# KiCad board ayla80.kicad_pcb (continued)
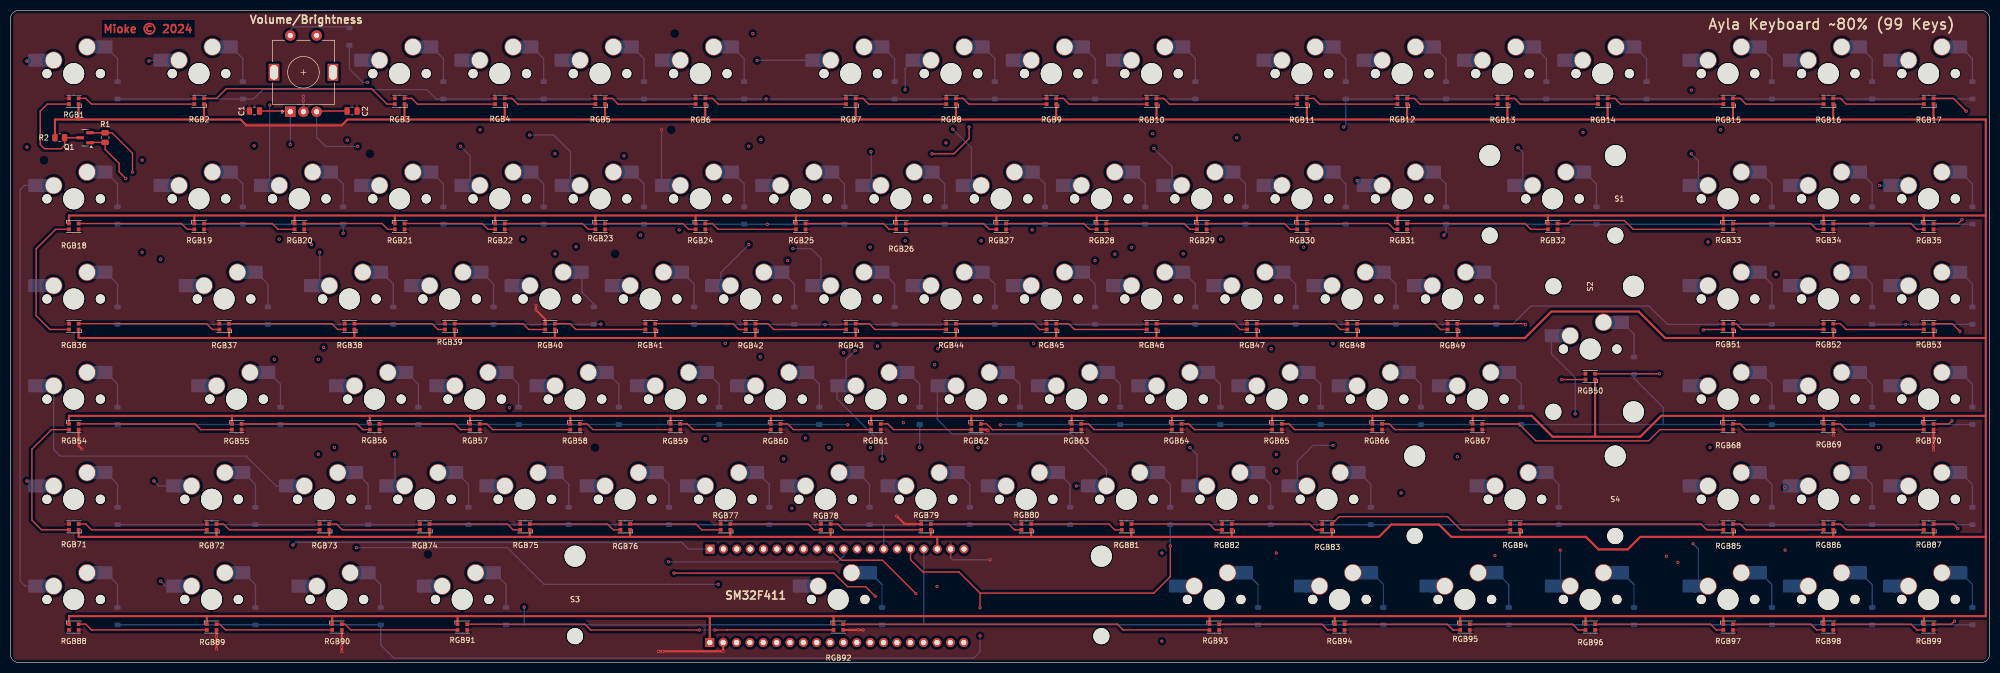
[diagram p0: board, top side]
## Footprints (pads in the part's own frame, mm; a bottom-side part is the same pattern mirrored in y, then rotated)
C_0805_2012Metric
  rrect 1x1.45 smd: 1(-0.95,0) 2(0.95,0)
Diode_SOD-123
  rrect 0.9x1.2 smd: 1(-1.65,0) 2(1.65,0)
LED_WS2812B-2020_PLCC4_2.0x2.0mm
  rect 0.7x0.7 smd: 1(-0.915,0.55) 2(-0.915,-0.55) 3(0.915,-0.55) 4(0.915,0.55)
PinHeader_1x20_P2.54mm_Vertical
  rect 1.7x1.7 hole 1: 1(0,0)
  oval 1.7x1.7 hole 1: 2(0,-2.54) 3(0,-5.08) 4(0,-7.62) 5(0,-10.16) 6(0,-12.7) 7(0,-15.24) 8(0,-17.78) 9(0,-20.32) 10(0,-22.86) 11(0,-25.4) 12(0,-27.94) 13(0,-30.48) 14(0,-33.02) 15(0,-35.56) 16(0,-38.1) 17(0,-40.64) 18(0,-43.18) 19(0,-45.72) 20(0,-48.26)
R_0805_2012Metric
  rrect 1.025x1.4 smd: 1(-0.912,0) 2(0.912,0)
RotaryEncoder_Alps_EC11E-Switch_Vertical_H20mm
  rect 3.2x2 hole 2.8x1.5 unplated: (7.5,3.1) (7.5,-8.1)
  rect 2x2 hole 1: A(0,0)
  round 2 hole 1: B(0,-5) C(0,-2.5) S1(14.5,-5) S2(14.5,0)
SOT-23
  rrect 1.475x0.6 smd: 1(-0.938,0.95) 2(-0.938,-0.95) 3(0.938,0)
Stabilizer_MX_2.00u
  round 3.048 hole 3.048 unplated: (-11.938,6.985) (11.938,6.985)
  round 3.988 hole 3.988 unplated: (-11.938,-8.225) (11.938,-8.225)
Stabilizer_MX_3.00u
  round 3.048 hole 3.048 unplated: (-19.05,6.985) (19.05,6.985)
  round 3.988 hole 3.988 unplated: (-19.05,-8.225) (19.05,-8.225)
Stabilizer_MX_6.25u
  round 3.048 hole 3.048 unplated: (-50,6.985) (50,6.985)
  round 3.988 hole 3.988 unplated: (-50,-8.225) (50,-8.225)
SW_MX_HS_CPG151101S11_1u
  round 1.75 hole 1.75 unplated: (-5.08,0) (5.08,0)
  round 3.988 hole 3.988 unplated: (0,0)
  round 3.3 hole 3: 1(3.81,2.54) 2(-2.54,5.08)
  rect 1.65x2.5 smd: 1(5.635,2.54) 2(-4.34,5.08)
  rrect 2.55x2.5 smd: 1(7.36,2.54) 2(-6.09,5.08)

## Nets
+3.3V: J1.20 Q1.1 R1.1
GND: C1.2 C2.2 J1.19 J2.2 RGB1.3 RGB2.3 RGB3.3 RGB4.3 RGB5.3 RGB6.3 RGB7.3 RGB8.3 RGB9.3 RGB10.3 RGB11.3 RGB12.3 RGB13.3 RGB14.3 RGB15.3 RGB16.3 RGB17.3 RGB18.3 RGB19.3 RGB20.3 RGB21.3 RGB22.3 RGB23.3 RGB24.3 RGB25.3 RGB26.3 RGB27.3 RGB28.3 RGB29.3 RGB30.3 RGB31.3 RGB32.3 RGB33.3 RGB34.3 RGB35.3 RGB36.3 RGB37.3 RGB38.3 RGB39.3 RGB40.3 RGB41.3 RGB42.3 RGB43.3 RGB44.3 RGB45.3 RGB46.3 RGB47.3 RGB48.3 RGB49.3 RGB50.3 RGB51.3 RGB52.3 RGB53.3 RGB54.3 RGB55.3 RGB56.3 RGB57.3 RGB58.3 RGB59.3 RGB60.3 RGB61.3 RGB62.3 RGB63.3 RGB64.3 RGB65.3 RGB66.3 RGB67.3 RGB68.3 RGB69.3 RGB70.3 RGB71.3 RGB72.3 RGB73.3 RGB74.3 RGB75.3 RGB76.3 RGB77.3 RGB78.3 RGB79.3 RGB80.3 RGB81.3 RGB82.3 RGB83.3 RGB84.3 RGB85.3 RGB86.3 RGB87.3 RGB88.3 RGB89.3 RGB90.3 RGB91.3 RGB92.3 RGB93.3 RGB94.3 RGB95.3 RGB96.3 RGB97.3 RGB98.3 RGB99.3 SW1.C
VBUS: J1.18 J2.1 R2.1 RGB1.1 RGB2.1 RGB3.1 RGB4.1 RGB5.1 RGB6.1 RGB7.1 RGB8.1 RGB9.1 RGB10.1 RGB11.1 RGB12.1 RGB13.1 RGB14.1 RGB15.1 RGB16.1 RGB17.1 RGB18.1 RGB19.1 RGB20.1 RGB21.1 RGB22.1 RGB23.1 RGB24.1 RGB25.1 RGB26.1 RGB27.1 RGB28.1 RGB29.1 RGB30.1 RGB31.1 RGB32.1 RGB33.1 RGB34.1 RGB35.1 RGB36.1 RGB37.1 RGB38.1 RGB39.1 RGB40.1 RGB41.1 RGB42.1 RGB43.1 RGB44.1 RGB45.1 RGB46.1 RGB47.1 RGB48.1 RGB49.1 RGB50.1 RGB51.1 RGB52.1 RGB53.1 RGB54.1 RGB55.1 RGB56.1 RGB57.1 RGB58.1 RGB59.1 RGB60.1 RGB61.1 RGB62.1 RGB63.1 RGB64.1 RGB65.1 RGB66.1 RGB67.1 RGB68.1 RGB69.1 RGB70.1 RGB71.1 RGB72.1 RGB73.1 RGB74.1 RGB75.1 RGB76.1 RGB77.1 RGB78.1 RGB79.1 RGB80.1 RGB81.1 RGB82.1 RGB83.1 RGB84.1 RGB85.1 RGB86.1 RGB87.1 RGB88.1 RGB89.1 RGB90.1 RGB91.1 RGB92.1 RGB93.1 RGB94.1 RGB95.1 RGB96.1 RGB97.1 RGB98.1 RGB99.1
/A4: J2.11
/A5: J2.10
/A6: J2.9
/A7: J2.8
/A9: J1.6
/A10: J1.7
/A11: J1.8
/A12: J1.9
/B2: J2.5
COL0: J2.19 MX1.1 MX11.1 MX21.1 MX31.1 MX41.1 MX52.1 MX62.1 MX71.1 MX81.1 MX91.1
COL1: J2.18 MX2.1 MX12.1 MX22.1 MX32.1 MX42.1 MX53.1 MX63.1 MX72.1 MX82.1 MX92.1
COL2: J2.17 MX3.1 MX13.1 MX23.1 MX33.1 MX43.1 MX54.1 MX64.1 MX73.1 MX83.1 MX93.1
COL3: J2.15 MX4.1 MX14.1 MX24.1 MX34.1 MX44.1 MX55.1 MX65.1 MX74.1 MX84.1 MX94.1
COL4: J1.10 MX5.1 MX15.1 MX25.1 MX35.1 MX45.1 MX56.1 MX66.1 MX75.1 MX85.1 MX95.1
COL5: J2.13 MX6.1 MX16.1 MX26.1 MX36.1 MX46.1 MX50.1 MX57.1 MX76.1 MX86.1 MX96.1
COL6: J2.12 MX7.1 MX17.1 MX27.1 MX37.1 MX47.1 MX58.1 MX67.1 MX77.1 MX87.1 MX97.1
COL7: J2.7 MX8.1 MX18.1 MX28.1 MX38.1 MX48.1 MX59.1 MX68.1 MX78.1 MX88.1 MX98.1
COL8: J2.6 MX9.1 MX19.1 MX29.1 MX39.1 MX49.1 MX60.1 MX69.1 MX79.1 MX89.1 MX99.1
COL9: J2.4 MX10.1 MX20.1 MX30.1 MX40.1 MX51.1 MX61.1 MX70.1 MX80.1 MX90.1 SW1.S1
R_A: C1.1 J1.1 SW1.A
R_B: C2.1 J1.2 SW1.B
RGB: J2.14 Q1.2 R1.2
RGB_DATA: Q1.3 R2.2 RGB1.4
ROW0: D1.1 D2.1 D3.1 D4.1 D5.1 D6.1 D7.1 D8.1 D9.1 D10.1 J1.5
ROW1: D11.1 D12.1 D13.1 D14.1 D15.1 D16.1 D17.1 D18.1 D19.1 D20.1 J1.3
ROW2: D21.1 D22.1 D23.1 D24.1 D25.1 D26.1 D27.1 D28.1 D29.1 D30.1 J1.4
ROW3: D31.1 D32.1 D33.1 D34.1 D35.1 D36.1 D37.1 D38.1 D39.1 D40.1 J1.11
ROW4: D41.1 D42.1 D43.1 D44.1 D45.1 D46.1 D47.1 D48.1 D49.1 D51.1 J1.12
ROW5: D52.1 D53.1 D54.1 D55.1 D56.1 D57.1 D58.1 D59.1 D60.1 D61.1 J1.13
ROW6: D50.1 D62.1 D63.1 D64.1 D65.1 D66.1 D67.1 D68.1 D69.1 D70.1 J1.15
ROW7: D71.1 D72.1 D73.1 D74.1 D75.1 D76.1 D77.1 D78.1 D79.1 D80.1 J1.14
ROW8: D81.1 D82.1 D83.1 D84.1 D85.1 D86.1 D87.1 D88.1 D89.1 D90.1 J1.16
ROW9: D91.1 D92.1 D93.1 D94.1 D95.1 D96.1 D97.1 D98.1 D99.1 D100.1 J1.17
Net-(D1-A): D1.2 MX1.2
Net-(D2-A): D2.2 MX2.2
Net-(D3-A): D3.2 MX3.2
Net-(D4-A): D4.2 MX4.2
Net-(D5-A): D5.2 MX5.2
Net-(D6-A): D6.2 MX6.2
Net-(D7-A): D7.2 MX7.2
Net-(D8-A): D8.2 MX8.2
Net-(D9-A): D9.2 MX9.2
Net-(D10-A): D10.2 MX10.2
Net-(D11-A): D11.2 MX11.2
Net-(D12-A): D12.2 MX12.2
Net-(D13-A): D13.2 MX13.2
Net-(D14-A): D14.2 MX14.2
Net-(D15-A): D15.2 MX15.2
Net-(D16-A): D16.2 MX16.2
Net-(D17-A): D17.2 MX17.2
Net-(D18-A): D18.2 MX18.2
Net-(D19-A): D19.2 MX19.2
Net-(D20-A): D20.2 MX20.2
Net-(D21-A): D21.2 MX21.2
Net-(D22-A): D22.2 MX22.2
Net-(D23-A): D23.2 MX23.2
Net-(D24-A): D24.2 MX24.2
Net-(D25-A): D25.2 MX25.2
Net-(D26-A): D26.2 MX26.2
Net-(D27-A): D27.2 MX27.2
Net-(D28-A): D28.2 MX28.2
Net-(D29-A): D29.2 MX29.2
Net-(D30-A): D30.2 MX30.2
Net-(D31-A): D31.2 MX31.2
Net-(D32-A): D32.2 MX32.2
Net-(D33-A): D33.2 MX33.2
Net-(D34-A): D34.2 MX34.2
Net-(D35-A): D35.2 MX35.2
Net-(D36-A): D36.2 MX36.2
Net-(D37-A): D37.2 MX37.2
Net-(D38-A): D38.2 MX38.2
Net-(D39-A): D39.2 MX39.2
Net-(D40-A): D40.2 MX40.2
Net-(D41-A): D41.2 MX41.2
Net-(D42-A): D42.2 MX42.2
Net-(D43-A): D43.2 MX43.2
Net-(D44-A): D44.2 MX44.2
Net-(D45-A): D45.2 MX45.2
Net-(D46-A): D46.2 MX46.2
Net-(D47-A): D47.2 MX47.2
Net-(D48-A): D48.2 MX48.2
Net-(D49-A): D49.2 MX49.2
Net-(D50-A): D50.2 MX50.2
Net-(D51-A): D51.2 MX51.2
Net-(D52-A): D52.2 MX52.2
Net-(D53-A): D53.2 MX53.2
Net-(D54-A): D54.2 MX54.2
Net-(D55-A): D55.2 MX55.2
Net-(D56-A): D56.2 MX56.2
Net-(D57-A): D57.2 MX57.2
Net-(D58-A): D58.2 MX58.2
Net-(D59-A): D59.2 MX59.2
Net-(D60-A): D60.2 MX60.2
Net-(D61-A): D61.2 MX61.2
Net-(D62-A): D62.2 MX62.2
Net-(D63-A): D63.2 MX63.2
Net-(D64-A): D64.2 MX64.2
Net-(D65-A): D65.2 MX65.2
Net-(D66-A): D66.2 MX66.2
Net-(D67-A): D67.2 MX67.2
Net-(D68-A): D68.2 MX68.2
Net-(D69-A): D69.2 MX69.2
Net-(D70-A): D70.2 MX70.2
Net-(D71-A): D71.2 MX71.2
Net-(D72-A): D72.2 MX72.2
Net-(D73-A): D73.2 MX73.2
Net-(D74-A): D74.2 MX74.2
Net-(D75-A): D75.2 MX75.2
Net-(D76-A): D76.2 MX76.2
Net-(D77-A): D77.2 MX77.2
Net-(D78-A): D78.2 MX78.2
Net-(D79-A): D79.2 MX79.2
Net-(D80-A): D80.2 MX80.2
Net-(D81-A): D81.2 MX81.2
Net-(D82-A): D82.2 MX82.2
Net-(D83-A): D83.2 MX83.2
Net-(D84-A): D84.2 MX84.2
Net-(D85-A): D85.2 MX85.2
Net-(D86-A): D86.2 MX86.2
Net-(D87-A): D87.2 MX87.2
Net-(D88-A): D88.2 MX88.2
Net-(D89-A): D89.2 MX89.2
Net-(D90-A): D90.2 MX90.2
Net-(D91-A): D91.2 MX91.2
Net-(D92-A): D92.2 MX92.2
Net-(D93-A): D93.2 MX93.2
Net-(D94-A): D94.2 MX94.2
Net-(D95-A): D95.2 MX95.2
Net-(D96-A): D96.2 MX96.2
Net-(D97-A): D97.2 MX97.2
Net-(D98-A): D98.2 MX98.2
Net-(D99-A): D99.2 MX99.2
Net-(D100-A): D100.2 SW1.S2
Net-(RGB1-DOUT): RGB1.2 RGB2.4
Net-(RGB2-DOUT): RGB2.2 RGB3.4
Net-(RGB3-DOUT): RGB3.2 RGB4.4
Net-(RGB4-DOUT): RGB4.2 RGB5.4
Net-(RGB5-DOUT): RGB5.2 RGB6.4
Net-(RGB6-DOUT): RGB6.2 RGB7.4
Net-(RGB7-DOUT): RGB7.2 RGB8.4
Net-(RGB8-DOUT): RGB8.2 RGB9.4
Net-(RGB10-DIN): RGB9.2 RGB10.4
Net-(RGB10-DOUT): RGB10.2 RGB11.4
Net-(RGB11-DOUT): RGB11.2 RGB12.4
Net-(RGB12-DOUT): RGB12.2 RGB13.4
Net-(RGB13-DOUT): RGB13.2 RGB14.4
Net-(RGB14-DOUT): RGB14.2 RGB15.4
Net-(RGB15-DOUT): RGB15.2 RGB16.4
Net-(RGB16-DOUT): RGB16.2 RGB17.4
Net-(RGB17-DOUT): RGB17.2 RGB35.4
Net-(RGB18-DIN): RGB18.4 RGB19.2
Net-(RGB18-DOUT): RGB18.2 RGB36.4
Net-(RGB19-DIN): RGB19.4 RGB20.2
Net-(RGB20-DIN): RGB20.4 RGB21.2
Net-(RGB21-DIN): RGB21.4 RGB22.2
Net-(RGB22-DIN): RGB22.4 RGB23.2
Net-(RGB23-DIN): RGB23.4 RGB24.2
Net-(RGB24-DIN): RGB24.4 RGB25.2
Net-(RGB25-DIN): RGB25.4 RGB26.2
Net-(RGB26-DIN): RGB26.4 RGB27.2
Net-(RGB27-DIN): RGB27.4 RGB28.2
Net-(RGB28-DIN): RGB28.4 RGB29.2
Net-(RGB29-DIN): RGB29.4 RGB30.2
Net-(RGB30-DIN): RGB30.4 RGB31.2
Net-(RGB31-DIN): RGB31.4 RGB32.2
Net-(RGB32-DIN): RGB32.4 RGB33.2
Net-(RGB33-DIN): RGB33.4 RGB34.2
Net-(RGB34-DIN): RGB34.4 RGB35.2
Net-(RGB36-DOUT): RGB36.2 RGB37.4
Net-(RGB37-DOUT): RGB37.2 RGB38.4
Net-(RGB38-DOUT): RGB38.2 RGB39.4
Net-(RGB39-DOUT): RGB39.2 RGB40.4
Net-(RGB40-DOUT): RGB40.2 RGB41.4
Net-(RGB41-DOUT): RGB41.2 RGB42.4
Net-(RGB42-DOUT): RGB42.2 RGB43.4
Net-(RGB43-DOUT): RGB43.2 RGB44.4
Net-(RGB44-DOUT): RGB44.2 RGB45.4
Net-(RGB45-DOUT): RGB45.2 RGB46.4
Net-(RGB46-DOUT): RGB46.2 RGB47.4
Net-(RGB47-DOUT): RGB47.2 RGB48.4
Net-(RGB48-DOUT): RGB48.2 RGB49.4
Net-(RGB49-DOUT): RGB49.2 RGB50.4
Net-(RGB50-DOUT): RGB50.2 RGB51.4
Net-(RGB51-DOUT): RGB51.2 RGB52.4
Net-(RGB52-DOUT): RGB52.2 RGB53.4
Net-(RGB53-DOUT): RGB53.2 RGB70.4
Net-(RGB54-DIN): RGB54.4 RGB55.2
Net-(RGB54-DOUT): RGB54.2 RGB71.4
Net-(RGB55-DIN): RGB55.4 RGB56.2
Net-(RGB56-DIN): RGB56.4 RGB57.2
Net-(RGB57-DIN): RGB57.4 RGB58.2
Net-(RGB58-DIN): RGB58.4 RGB59.2
Net-(RGB59-DIN): RGB59.4 RGB60.2
Net-(RGB60-DIN): RGB60.4 RGB61.2
Net-(RGB61-DIN): RGB61.4 RGB62.2
Net-(RGB62-DIN): RGB62.4 RGB63.2
Net-(RGB63-DIN): RGB63.4 RGB64.2
Net-(RGB64-DIN): RGB64.4 RGB65.2
Net-(RGB65-DIN): RGB65.4 RGB66.2
Net-(RGB66-DIN): RGB66.4 RGB67.2
Net-(RGB67-DIN): RGB67.4 RGB68.2
Net-(RGB68-DIN): RGB68.4 RGB69.2
Net-(RGB69-DIN): RGB69.4 RGB70.2
Net-(RGB71-DOUT): RGB71.2 RGB72.4
Net-(RGB72-DOUT): RGB72.2 RGB73.4
Net-(RGB73-DOUT): RGB73.2 RGB74.4
Net-(RGB74-DOUT): RGB74.2 RGB75.4
Net-(RGB75-DOUT): RGB75.2 RGB76.4
Net-(RGB76-DOUT): RGB76.2 RGB77.4
Net-(RGB77-DOUT): RGB77.2 RGB78.4
Net-(RGB78-DOUT): RGB78.2 RGB79.4
Net-(RGB79-DOUT): RGB79.2 RGB80.4
Net-(RGB80-DOUT): RGB80.2 RGB81.4
Net-(RGB81-DOUT): RGB81.2 RGB82.4
Net-(RGB82-DOUT): RGB82.2 RGB83.4
Net-(RGB83-DOUT): RGB83.2 RGB84.4
Net-(RGB84-DOUT): RGB84.2 RGB85.4
Net-(RGB85-DOUT): RGB85.2 RGB86.4
Net-(RGB86-DOUT): RGB86.2 RGB87.4
Net-(RGB87-DOUT): RGB87.2 RGB99.4
Net-(RGB88-DIN): RGB88.4 RGB89.2
Net-(RGB89-DIN): RGB89.4 RGB90.2
Net-(RGB90-DIN): RGB90.4 RGB91.2
Net-(RGB91-DIN): RGB91.4 RGB92.2
Net-(RGB92-DIN): RGB92.4 RGB93.2
Net-(RGB93-DIN): RGB93.4 RGB94.2
Net-(RGB94-DIN): RGB94.4 RGB95.2
Net-(RGB95-DIN): RGB95.4 RGB96.2
Net-(RGB96-DIN): RGB96.4 RGB97.2
Net-(RGB97-DIN): RGB97.4 RGB98.2
Net-(RGB98-DIN): RGB98.4 RGB99.2

Pads without a net: J2 3 16 20; RGB88 2

## Via types
v1: diameter 0.6, hole 0.3, Top to Bottom, 167 vias

## Routing (per net, layer and track width the routed paths; a pad name or vN(x,y) marks a point on that pad's centre or on a via; arc(x,y) is an arc through that point)
+3.3V: length 227.6
  Top w0.25: Q1.1 15.18,98.92 R1.1 17.97,97.6 20.64,94.93 20.64,93.31 v1(21.91,92.04)
  In1.Cu w0.25: v1(169.99,80.2) 109.59,80.2 105.73,84.06 29.88,84.06 v1(21.91,92.04)
  In2.Cu w0.25: J1.20 177.1,25.64 177.1,32.24 173.8,35.55 173.8,59.42 169.99,63.23 v1(169.99,80.2)
GND: length 57.8
  Top w0.4: v1(185.72,44.15) 185.58,44.29 RGB62.3 ; RGB69.3 346.31,43.26 v1(346.34,43.23) ; v1(13.59,40.56) 12.94,41.21 RGB54.3 ; RGB90.3 62.95,2.95 v1(62.93,2.93) 62.95,2.91 62.95,2.07 v1(62.95,2.07) ; v1(168.37,27.86) 169.89,26.34 RGB79.3 ; v1(39.13,2.58) 39.13,2.58 39.13,5.01 v1(39.13,5.02) 39.13,5.02 RGB89.3 ; 365.37,41.29 v1(365.37,40.42) 365.31,40.37 ; 365.37,41.29 RGB70.3 ; 365.37,41.29 v1(365.36,41.29) 365.37,41.29 ; v1(99.83,67.91) v1(99.83,67.04) 101.6,65.28 RGB40.3 ; 162.04,6.18 162.03,6.19 161.99,6.19 v1(161.99,6.18) 161.98,6.19 161.09,6.19 v1(161.07,6.21) 161.05,6.19 RGB92.3 ; J2.2 v1(135.39,2.12) v1(123.91,2.12) v1(123.1,2.12)
  Bottom w0.25: v1(186.12,19.54) 179,19.54 178.62,19.93 J1.19
  Bottom w0.4: SW1.C 55.66,106.82 v1(55.64,106.84) 55.66,106.86 55.66,107.69 v1(55.64,107.71)
VBUS: length 2485.9
  Top w0.4: RGB27.1 187.32,84.95 187.26,85.01 ; 84.9,8.81 61.02,8.81 ; 84.9,8.81 132.65,8.81 ; 84.9,8.81 84.93,8.78 RGB91.1 ; 61.02,8.81 61.12,8.72 RGB90.1 ; 61.02,8.81 37.27,8.81 ; 12.89,103.27 36.77,103.27 ; 12.89,103.27 12.94,103.32 RGB1.1 ; 12.89,103.27 8.44,103.27 R2.1 ; 36.77,103.27 43.69,103.27 44.82,102.14 62.9,102.14 64.02,103.27 74.86,103.27 ; 36.77,103.27 36.75,103.28 RGB2.1 ; RGB18.1 11.11,85.01 34.99,85.01 ; 149.29,85.01 168.34,85.01 ; 149.29,85.01 130.24,85.01 ; 149.29,85.01 149.22,84.95 RGB25.1 ; 168.34,85.01 187.26,85.01 ; 168.34,85.01 168.27,84.95 RGB26.1 ; RGB80.1 193.91,23.97 193.99,23.89 ; RGB44.1 179.63,61.72 179.64,61.71 ; RGB51.1 327.26,61.76 327.21,61.71 ; RGB63.1 201.61,46.91 ; 201.61,46.91 220.66,46.91 ; 201.61,46.91 182.56,46.91 ; RGB33.1 325.44,85.01 325.44,85.01 ; 34.99,85.01 54.04,85.01 ; 34.99,85.01 34.92,84.95 RGB19.1 ; 54.04,85.01 73.09,85.01 ; 54.04,85.01 53.97,84.95 RGB20.1 ; RGB59.1 125.41,46.91 ; 125.41,46.91 144.46,46.91 ; 125.41,46.91 106.36,46.91 ; RGB9.1 198.68,103.28 198.69,103.27 ; 212.91,23.89 231.96,23.89 ; 212.91,23.89 193.99,23.89 ; 212.91,23.89 212.97,23.94 RGB81.1 ; 231.96,23.89 251.01,23.89 ; 231.96,23.89 232.01,23.94 RGB82.1 ; 136.71,23.89 155.76,23.89 ; 136.71,23.89 136.76,23.94 RGB77.1 ; 136.71,23.89 117.66,23.89 ; 155.76,23.89 155.81,23.94 RGB78.1 ; 155.76,23.89 174.81,23.89 ; 42.1,46.91 11.11,46.91 RGB54.1 ; 42.1,46.91 42.07,46.88 RGB55.1 ; 42.1,46.91 68.26,46.91 ; 365.31,23.89 365.37,23.94 RGB87.1 ; 365.31,23.89 375.3,23.89 ; 365.31,23.89 346.26,23.89 ; 303.46,103.27 303.45,103.28 RGB14.1 ; 303.46,103.27 327.21,103.27 ; 303.46,103.27 284.42,103.27 ; 346.26,23.89 346.31,23.94 RGB86.1 ; 346.26,23.89 327.21,23.89 ; 93.92,103.27 112.97,103.27 ; 93.92,103.27 93.9,103.28 RGB4.1 ; 93.92,103.27 74.86,103.27 ; 112.97,103.27 132.01,103.27 ; 112.97,103.27 112.95,103.28 RGB5.1 ; J1.18 176.08,23.89 ; 176.08,23.89 174.81,23.89 ; 176.08,23.89 193.99,23.89 ; 325.44,46.91 313.62,46.91 309.66,42.94 300.93,42.94 ; 325.44,46.91 344.49,46.91 ; 325.44,46.91 325.44,46.91 RGB68.1 ; 220.66,46.91 220.66,46.91 RGB64.1 ; 220.66,46.91 239.71,46.91 ; 258.76,46.91 277.81,46.91 ; 258.76,46.91 258.76,46.91 RGB66.1 ; 258.76,46.91 239.71,46.91 ; 277.81,46.91 RGB67.1 ; 277.81,46.91 289.02,46.91 292.99,42.94 300.93,42.94 ; RGB48.1 255.83,61.72 255.84,61.71 ; 141.54,61.71 141.53,61.72 RGB42.1 ; 141.54,61.71 160.59,61.71 ; 141.54,61.71 122.49,61.71 ; 363.54,46.91 363.54,46.91 RGB70.1 ; 363.54,46.91 375.3,46.91 ; 363.54,46.91 344.49,46.91 ; RGB93.1 227.8,8.78 227.77,8.81 ; 41.59,61.71 41.52,61.78 RGB37.1 ; 41.59,61.71 12.99,61.71 12.94,61.76 RGB36.1 ; 41.59,61.71 65.34,61.71 ; 274.89,61.71 274.88,61.72 RGB49.1 ; 274.89,61.71 255.84,61.71 ; 274.89,61.71 287.72,61.71 292.75,66.74 309.35,66.74 314.39,61.71 327.21,61.71 ; RGB22.1 92.07,84.95 92.14,85.01 ; 132.01,103.27 160.59,103.27 ; 132.01,103.27 132,103.28 RGB6.1 ; RGB85.1 327.26,23.94 327.21,23.89 ; 375.3,46.91 375.3,85.01 ; 375.3,46.91 375.3,23.89 ; RGB96.1 299.24,8.78 299.27,8.81 ; 325.44,85.01 344.49,85.01 ; 325.44,85.01 292.16,85.01 ; 344.49,85.01 363.54,85.01 ; 344.49,85.01 344.49,83.49 ; 198.69,103.27 217.74,103.27 ; 198.69,103.27 179.64,103.27 ; 217.74,103.27 246.31,103.27 ; 217.74,103.27 217.73,103.28 RGB10.1 ; 246.31,103.27 265.37,103.27 ; 246.31,103.27 246.3,103.28 RGB11.1 ; 265.37,103.27 284.42,103.27 ; 265.37,103.27 265.35,103.28 RGB12.1 ; 365.31,61.71 365.37,61.76 RGB53.1 ; 365.31,61.71 346.26,61.71 ; 365.31,61.71 375.3,61.71 ; 60.51,23.89 79.56,23.89 ; 60.51,23.89 39.18,23.89 ; 60.51,23.89 60.56,23.94 RGB73.1 ; 79.56,23.89 79.61,23.94 79.61,25.24 ; 79.56,23.89 98.61,23.89 ; RGB21.1 73.02,84.95 73.09,85.01 ; 327.21,103.27 346.39,103.27 ; 327.21,103.27 327.26,103.32 RGB15.1 ; 346.39,103.27 365.31,103.27 ; 346.39,103.27 346.31,103.34 RGB16.1 ; 365.31,103.27 375.3,103.27 375.3,85.01 ; 365.31,103.27 365.37,103.32 RGB17.1 ; 132.65,8.81 132.85,8.61 J2.1 ; 132.65,8.81 156.4,8.81 ; 74.86,103.27 74.85,103.28 RGB3.1 ; 39.18,23.89 12.99,23.89 12.94,23.94 RGB71.1 ; 39.18,23.89 39.13,23.94 RGB72.1 ; RGB75.1 98.67,23.94 98.61,23.89 ; RGB52.1 346.31,61.76 346.26,61.71 ; 65.34,61.71 84.39,61.71 ; 65.34,61.71 65.33,61.72 RGB38.1 ; 84.39,61.71 84.38,61.72 RGB39.1 ; 84.39,61.71 103.44,61.71 ; RGB41.1 122.48,61.72 122.49,61.71 ; RGB57.1 87.31,46.91 ; 87.31,46.91 68.26,46.91 ; 87.31,46.91 106.36,46.91 ; 327.21,23.89 309.66,23.89 307.27,21.51 301.72,21.51 299.34,23.89 286.83,23.89 ; 375.3,23.89 375.3,8.81 363.54,8.81 ; 103.44,61.71 103.43,61.72 RGB40.1 ; 103.44,61.71 122.49,61.71 ; RGB50.1 301.07,43.09 300.93,42.94 ; RGB13.1 284.4,103.28 284.42,103.27 ; 174.81,23.89 174.87,23.94 174.87,25.24 ; 375.3,85.01 363.54,85.01 ; 239.71,46.91 RGB65.1 ; 182.56,46.91 182.56,46.91 RGB62.1 ; 182.56,46.91 163.51,46.91 ; 363.54,8.81 363.54,8.81 RGB99.1 ; 363.54,8.81 344.49,8.81 ; 106.36,46.91 106.36,46.91 RGB58.1 ; 344.49,8.81 325.44,8.81 ; 344.49,8.81 344.49,7.29 ; 251.01,23.89 251.06,23.94 RGB83.1 ; 251.01,23.89 260,23.89 262.36,26.25 271.39,26.25 273.75,23.89 286.83,23.89 ; RGB28.1 206.37,84.95 206.31,85.01 ; 255.84,61.71 236.79,61.71 ; 346.26,61.71 327.21,61.71 ; 263.59,85.01 292.16,85.01 ; 263.59,85.01 263.52,84.95 RGB31.1 ; 263.59,85.01 244.54,85.01 ; 292.16,85.01 292.1,84.95 RGB32.1 ; 325.44,8.81 299.27,8.81 ; 325.44,8.81 325.44,8.81 RGB97.1 ; 299.27,8.81 275.4,8.81 ; 225.49,85.01 225.42,84.95 RGB29.1 ; 225.49,85.01 206.31,85.01 ; 225.49,85.01 244.54,85.01 ; 37.27,8.81 37.3,8.78 RGB89.1 ; 37.27,8.81 11.11,8.81 RGB88.1 ; 117.66,23.89 117.72,23.94 RGB76.1 ; 117.66,23.89 98.61,23.89 ; RGB24.1 130.17,84.95 130.24,85.01 ; RGB45.1 198.68,61.72 198.69,61.71 ; 206.31,85.01 187.26,85.01 ; 363.54,85.01 363.54,85.01 RGB35.1 ; 156.4,8.81 227.77,8.81 ; 156.4,8.81 156.37,8.78 RGB92.1 ; RGB43.1 160.58,61.72 160.59,61.71 ; 227.77,8.81 251.65,8.81 ; 160.59,61.71 179.64,61.71 ; 130.24,85.01 111.19,85.01 ; RGB7.1 160.58,103.28 160.59,103.27 ; 251.65,8.81 251.62,8.78 RGB94.1 ; 251.65,8.81 275.4,8.81 ; RGB61.1 163.51,46.91 ; 163.51,46.91 144.46,46.91 ; 73.09,85.01 92.14,85.01 ; 68.26,46.91 68.26,46.91 RGB56.1 ; 92.14,85.01 111.19,85.01 ; 179.64,61.71 198.69,61.71 ; 198.69,61.71 217.74,61.71 ; RGB60.1 144.46,46.91 144.46,46.91 ; RGB47.1 236.78,61.72 236.79,61.71 ; 344.49,46.91 344.49,45.39 ; 111.19,85.01 111.12,84.95 RGB23.1 ; 160.59,103.27 179.64,103.27 ; RGB30.1 244.47,84.95 244.54,85.01 ; 179.64,103.27 179.63,103.28 RGB8.1 ; 286.83,23.89 286.78,23.94 RGB84.1 ; RGB46.1 217.73,61.72 217.74,61.71 ; 275.4,8.81 275.43,8.78 RGB95.1 ; 217.74,61.71 236.79,61.71
COL0: length 741.8
  In1.Cu w0.25: MX31.1 260.6,86.51 262.09,85.03 274.94,85.03 276.06,83.91 276.06,80.15 278.8,77.41 340.07,77.41 341.56,75.91 MX52.1 ; MX91.1 82.01,17.86 79.31,20.56 4.38,20.56 3.11,21.83 v1(3.11,34.53) ; 70.06,96.76 4.38,96.76 v1(3.11,98.03) ; 70.06,96.76 70.1,96.72 MX21.1 ; 70.06,96.76 v1(103.44,96.76) ; 117.71,77.71 117.73,77.7 MX41.1 ; 117.71,77.71 v1(103.44,77.71) ; 117.71,77.71 209.76,77.71 v1(209.82,77.66)
  In2.Cu w0.25: v1(103.44,77.71) v1(103.44,96.76) ; v1(255.84,91.68) 249.49,98.03 240.85,98.03 235.52,103.36 ; v1(3.11,114.38) v1(3.11,98.03) v1(3.11,34.53) ; 235.52,103.36 223.07,103.36 219.01,99.3 219.01,86.85 v1(209.82,77.66) 209.87,77.61 209.87,35.23 MX81.1 ; 235.52,103.36 235.52,104.68 241.55,110.72 MX11.1 ; v1(202.5,33.56) 202.5,23 191.17,11.67 180.91,11.67 178.57,9.33 J2.19
  Bottom w0.25: v1(3.11,34.53) 4.06,33.58 MX71.1 ; v1(255.84,91.68) 256.79,90.73 MX31.1 ; v1(3.11,114.38) 3.27,114.54 MX1.1 ; MX81.1 202.51,33.58 v1(202.5,33.56) ; MX81.1 208.22,36.69 201.43,43.47 178.88,43.47 176.09,46.26 MX62.1
COL1: length 664.1
  In1.Cu w0.25: MX63.1 198.69,40.88 ; 198.69,40.88 v1(183.86,40.88) ; 198.69,40.88 v1(224.09,40.88) ; v1(286.45,97.9) 284.54,99.81 254.82,99.81 ; J2.18 v1(176.03,14.46) 153.51,14.46 MX92.1 ; v1(142.45,58.15) 142.81,57.8 174.41,57.8 v1(175.58,56.63) ; 254.82,99.81 v1(232.98,99.81) ; 254.82,99.81 255.84,100.82 255.84,108.65 256.91,109.71 259.95,109.71 260.6,110.36 MX12.1 ; MX32.1 289.18,88.39 298.74,78.83 353.46,78.83 MX53.1 ; v1(140.27,98.18) v1(85.51,98.18)
  In2.Cu w0.25: 27.24,100.57 26.29,101.52 v1(26.29,114.38) ; 27.24,100.57 83.17,100.57 85.51,98.23 v1(85.51,98.18) ; 27.24,100.57 v1(27.24,34.53) ; v1(176.03,14.46) 183.86,22.29 v1(183.86,40.88) 179.64,40.88 175.58,44.94 v1(175.58,56.63) ; v1(232.98,99.81) 232.98,88.01 227.9,82.93 227.9,40.88 v1(224.09,40.88) ; MX42.1 136.78,63.83 v1(142.45,58.15) ; v1(140.27,79.49) v1(140.27,98.18)
  Bottom w0.25: v1(26.29,114.38) 26.45,114.54 MX2.1 ; v1(85.51,98.18) 87.33,96.36 MX22.1 ; v1(140.27,79.49) 134.95,74.17 MX42.1 ; MX72.1 28.19,33.58 v1(27.24,34.53) ; v1(286.45,97.9) 287.35,97 MX32.1 ; MX82.1 225.44,39.53 v1(224.09,40.88) ; MX12.1 255.84,114.54
COL2: length 657.9
  In1.Cu w0.25: v1(319.34,108.85) 281.24,108.85 279.65,110.44 MX13.1 ; v1(148.65,78.73) 109.23,78.73 108.88,79.08 v1(107.45,79.08) 57.62,79.08 v1(57.21,79.49) ; v1(164.7,60.18) 166.23,58.66 211.71,58.66 MX64.1
  In2.Cu w0.25: MX13.1 279.65,110.21 278.6,109.16 275.96,109.16 274.89,108.09 274.89,81.27 251.27,57.64 v1(251.27,41.29) ; MX3.1 70.1,102.92 70.67,102.35 85.91,102.35 87.95,100.32 v1(98.61,100.32) ; v1(319.34,96.76) v1(319.34,108.85) ; MX43.1 155.83,69.06 v1(164.7,60.18) ; v1(57.21,79.49) 55.81,78.09 MX73.1 ; MX64.1 217.74,44.13 223.43,38.44 244.11,38.44 246.31,36.23 MX83.1 246.31,21.7 244.16,19.54 226.38,19.54 224.88,18.05 MX93.1 224.88,7.89 218.35,1.36 174.46,1.36 173.49,2.32 J2.17 ; v1(107.45,79.08) 107.45,79.89 108.2,80.64 MX23.1
  Bottom w0.25: MX54.1 8.19,40.52 9.46,39.25 44.77,39.25 50.44,33.58 MX73.1 ; MX83.1 244.49,38.27 247.51,41.29 v1(251.27,41.29) ; v1(148.65,78.73) 152.11,78.73 154,76.83 MX43.1 ; MX13.1 274.89,114.54 ; MX23.1 106.38,97.16 103.22,100.32 v1(98.61,100.32) ; MX33.1 320.69,95.41 v1(319.34,96.76)
COL3: length 699.4
  In1.Cu w0.25: MX55.1 39.15,55.38 41.41,57.64 v1(50.1,57.64) v1(58.48,57.64) ; 248.7,19.07 246.95,20.81 v1(218.76,20.81) ; 248.7,19.07 MX94.1 ; 248.7,19.07 280.76,19.07 v1(282.03,20.34) ; v1(72.96,39.61) v1(58.48,39.61) ; v1(46.29,98.28) 49.34,101.33 v1(89.22,101.33) 175.17,101.33 177.66,98.84 v1(177.74,98.84) ; J2.15 168.41,1.81 169.53,0.7 215.4,0.7 v1(218.76,4.05) ; v1(176.19,59.68) 229.74,59.68 MX65.1 ; v1(298.77,100.82) 299.27,100.32 339.66,100.32 341.56,98.41 MX34.1 ; v1(240.5,36.41) v1(240.5,39.56)
  In2.Cu w0.25: v1(240.5,36.41) v1(240.5,20.81) ; v1(89.22,101.33) 89.15,101.4 MX4.1 ; v1(218.76,4.05) v1(218.76,20.81) ; v1(50.1,57.64) 50.1,76.69 46.29,80.5 v1(46.29,98.28) ; MX14.1 298.7,100.89 v1(298.77,100.82) 285.81,100.82 285.3,100.32 285.3,36.85 MX84.1 v1(282.03,20.34) ; v1(240.5,39.56) 236.79,43.27 MX65.1 ; v1(176.19,59.68) 174.88,60.98 MX44.1 177.74,74.54 v1(177.74,98.84) ; v1(58.48,39.61) v1(58.48,57.64)
  Bottom w0.25: MX24.1 v1(123.7,101.33) 123.71,101.33 ; MX74.1 73.04,39.53 v1(72.96,39.61)
COL4: length 665.3
  Top w0.25: J1.10 157.9,19.44 165.67,19.44 v1(172.02,13.09)
  In1.Cu w0.25: MX95.1 287.91,14.53 292.42,19.04 301.85,19.04 301.85,19.04 312.73,19.04 312.74,19.04 v1(316.8,19.04) ; v1(147.64,76.44) 192.85,76.44 193.93,75.36 MX45.1 ; v1(322.9,40.88) v1(354.9,40.88) ; v1(116.55,96.35) 142.71,96.35 146.3,92.76 MX25.1 ; MX35.1 360.62,98.67 357.95,101.33 v1(324.93,101.33) ; v1(194.37,60.69) 234.45,60.69 238,57.14 251.32,57.14 MX66.1 ; MX56.1 65.34,48.65 66.36,47.64 93.99,47.64 v1(94.8,48.45)
  In2.Cu w0.25: v1(355.1,90.71) 354.9,90.51 v1(354.9,40.88) ; MX5.1 108.2,104.7 ; 108.2,104.7 v1(116.55,96.35) ; 108.2,104.7 101.07,104.7 100.14,103.77 100.14,93.97 95.82,89.65 95.82,52.31 94.8,51.29 94.8,34.47 MX75.1 ; MX15.1 322.51,103.75 v1(324.93,101.33) ; MX45.1 194.37,71.23 v1(194.37,60.69) 193.1,59.42 193.1,35.04 196.15,31.99 196.15,20.56 188.68,13.09 v1(172.02,13.09) ; MX25.1 146.3,77.77 v1(147.64,76.44) ; v1(322.9,40.88) 322.51,40.5 MX85.1 319.15,33.58 316.8,31.23 v1(316.8,19.04) ; MX66.1 255.84,44.59 272.51,27.92 MX95.1
  Bottom w0.25: v1(355.1,90.71) 355.12,90.73 MX35.1 ; MX95.1 267.97,14.53
COL5: length 779.1
  In1.Cu w0.25: MX6.1 127.25,117.83 129.04,119.62 v1(141.03,119.62) ; v1(264.22,32.24) 268.57,27.9 290.92,27.9 294.45,24.37 v1(294.45,21.37) v1(337.17,21.37) ; J2.13 163.33,1.71 162.25,0.62 130.23,0.62 112.97,17.89 MX76.1 112.97,40.85 112.94,40.88 ; v1(61.53,40.88) 112.94,40.88 ; v1(163.33,78.98) v1(245.68,78.98) ; MX57.1 84.39,55.46 80.02,59.83 59.6,59.83 v1(59.5,59.93) 31.81,59.93 20.06,71.68 MX36.1 ; 112.94,40.88 v1(155.51,40.88)
  In2.Cu w0.25: v1(264.22,32.24) 257.41,39.05 250.76,39.05 249.49,40.32 249.49,58.66 245.68,62.47 v1(245.68,78.98) ; MX26.1 165.35,81 v1(163.33,78.98) 154.09,78.98 152.21,77.1 152.21,63.23 155.51,59.93 v1(155.51,40.88) ; v1(61.53,40.88) 61.53,57.9 v1(59.5,59.93) ; 213.02,78.98 v1(212.98,78.94) MX46.1 ; v1(141.03,119.62) v1(163.49,97.17) ; v1(294.45,21.37) 294.45,23.2 297.29,26.05 v1(297.29,47.28) ; MX16.1 341.56,110.35 337.12,105.9 v1(337.12,33.26) 337.12,21.42 v1(337.17,21.37)
  Bottom w0.25: v1(337.12,33.26) 337.44,33.58 MX86.1 ; MX16.1 337.12,114.54 ; v1(297.29,47.28) 297.29,54.14 292.77,58.66 MX50.1 ; v1(163.49,97.17) 163.53,97.12 MX26.1 ; v1(294.45,21.37) 294.5,21.32 MX96.1
COL6: length 653.2
  In1.Cu w0.25: v1(184.42,80.2) 229.63,80.2 v1(229.93,80.5) ; v1(131.99,42.56) 105.32,42.56 103.44,44.44 MX58.1 103.44,55.56 101.36,57.64 85.66,57.64 77.68,65.62 40.04,65.62 36.77,68.9 MX37.1 ; v1(239.53,59.68) 267.84,59.68 MX67.1 ; MX87.1 360.62,23.74 359.47,22.59 v1(319.7,22.59) 314.41,27.88 306.84,35.44 299.58,35.44 295.87,39.15 v1(274.89,39.15)
  In2.Cu w0.25: MX17.1 358.28,114.54 356.93,113.19 356.93,47.99 360.62,44.31 MX87.1 ; v1(184.42,80.2) 184.4,80.21 MX27.1 ; MX7.1 165.92,114.54 v1(179.03,101.43) ; v1(141.84,114.49) 130.87,103.52 130.87,92.19 133.92,89.14 133.92,80.76 131.28,78.12 131.28,53.4 129.4,51.52 129.4,46.62 131.99,44.03 v1(131.99,42.56) 132.01,42.53 MX77.1 132.01,26.28 129.35,23.61 129.35,3.64 131.84,1.15 159.85,1.15 160.79,2.1 J2.12 ; v1(239.53,59.68) 232.03,67.18 MX47.1 232.03,78.41 v1(229.93,80.5) ; MX67.1 v1(274.89,39.15)
  Bottom w0.25: MX7.1 141.9,114.54 v1(141.84,114.49) ; MX27.1 182.58,97.89 v1(179.03,101.43) ; v1(319.7,22.59) 320.69,21.6 MX97.1
COL7: length 650.5
  In1.Cu w0.25: MX38.1 60.58,68.05 62.14,66.48 79.36,66.48 86.22,59.63 120,59.63 122.49,57.14 MX59.1 122.49,47.89 123.91,46.47 131.84,46.47 135.62,42.68 v1(151.01,42.68) 151.09,42.61 ; MX68.1 322.51,55.49 321.37,56.63 291.4,56.63 287.34,60.69 v1(251.27,60.69) ; v1(206.06,76.44) 246.31,76.44 MX48.1 ; v1(25,78.01) v1(58.74,78.01) ; MX98.1 335.89,20.2 v1(314.62,20.2) ; MX18.1 8.19,94.01 9.71,95.53 24.99,95.53 v1(25,95.54) ; MX78.1 151.06,26.73 149.41,25.08 149.41,19.59 148.09,18.27 J2.7
  In2.Cu w0.25: v1(251.27,60.69) 251.08,60.88 MX48.1 ; 169.99,100.32 196.4,100.32 203.45,93.27 MX28.1 203.45,79.04 v1(206.06,76.44) ; 169.99,100.32 v1(169.99,108.95) ; 169.99,100.32 151.19,81.52 151.19,58.66 153.88,55.97 153.88,49.67 151.06,46.85 MX78.1 ; MX68.1 322.51,44.06 314.62,36.16 v1(314.62,20.2) ; v1(25,78.01) v1(25,95.54)
  Bottom w0.25: MX8.1 171.51,114.54 169.99,113.02 v1(169.99,108.95) ; MX38.1 58.75,78 v1(58.74,78.01) ; MX18.1 2.61,90.73 1.84,89.95 1.84,15.48 2.79,14.53 MX88.1
COL8: length 627.1
  Top w0.25: v1(175.07,96.75) 179.25,96.75 182.13,99.63 v1(182.13,101.84)
  In1.Cu w0.25: v1(158.3,58.91) 156.53,60.69 128.38,60.69 123.51,65.57 82.76,65.57 79.63,68.71 MX39.1 79.63,74.85 77.79,76.69 v1(28.51,76.69) ; v1(222.82,77.71) 262.19,77.71 264.98,74.92 269.3,74.92 270.13,74.09 MX49.1 270.13,69.01 272.47,66.67 327.52,66.67 MX69.1
  In2.Cu w0.25: MX69.1 341.56,41.77 344.49,38.85 354.14,38.85 357.44,35.55 357.44,21.32 360.62,18.15 MX99.1 ; MX9.1 193.93,102.28 194.37,101.84 ; 168.97,58.1 159.12,58.1 v1(158.3,58.91) ; 168.97,58.1 168.97,53.58 171.76,50.79 171.76,35.23 MX79.1 170.12,25.11 169.73,24.73 169.73,11.67 167.35,9.28 148.96,9.28 145.55,5.88 J2.6 ; 168.97,58.1 168.97,82.79 172.27,86.09 172.27,89.39 175.07,92.19 v1(175.07,96.75) ; v1(217.23,97.78) 213.17,101.84 194.37,101.84 ; MX19.1 32,85.77 28.51,82.28 v1(28.51,76.69) v1(28.51,15.48) ; 194.37,101.84 v1(182.13,101.84) ; MX60.1 135.8,58.37 v1(135.8,60.69) ; MX29.1 222.5,78.03 v1(222.82,77.71)
  Bottom w0.25: MX89.1 29.46,14.53 v1(28.51,15.48) ; v1(217.23,97.78) 220.68,94.33 MX29.1
COL9: length 635.3
  In1.Cu w0.25: v1(97.34,80.5) v1(51.05,80.5) ; v1(194.12,82.28) 194.54,82.71 194.54,92.02 193.61,92.95 193.61,95.36 198.82,100.57 v1(216.98,100.57) 220.28,97.27 239.08,97.27 241.55,94.79 ; 241.55,94.79 242.4,95.64 273.16,95.64 275.25,93.56 283.37,93.56 285.76,95.95 302.04,95.95 318.02,79.97 v1(322.51,79.97) ; 241.55,94.79 MX30.1 ; v1(146.87,38.72) 184.02,38.72 MX80.1 ; v1(160.49,59.32) 160.49,60.74 154.65,66.58 117.24,66.58 112.15,71.68 MX40.1 ; v1(335.44,73.8) 337.78,73.8 338.44,73.14 338.44,69.12 341.44,66.13 360.64,66.13 361.71,65.06 361.71,56.88 360.62,55.79 MX70.1
  In2.Cu w0.25: MX40.1 98.68,79.17 v1(97.34,80.5) ; J2.4 140.47,9.74 146.87,16.14 v1(146.87,38.72) ; v1(216.98,100.57) 212.98,104.57 MX10.1 ; v1(194.12,82.28) 189.78,77.94 189.78,34.19 MX80.1 ; v1(49.29,106.01) 58.16,114.87 SW1.S1 ; MX20.1 v1(51.05,80.5) 51.05,21.67 MX90.1 ; v1(335.44,73.8) 333.32,71.68 MX51.1 v1(322.51,79.97) 322.54,80
  Bottom w0.25: v1(165.62,38.75) 165.62,41.54 157.04,50.12 MX61.1 ; v1(160.49,59.32) 158.76,57.6 MX61.1 ; v1(49.29,106.01) 49.23,105.95 MX20.1
